# KiCad board EEZ DIB DCP405plus.kicad_pcb (continued)
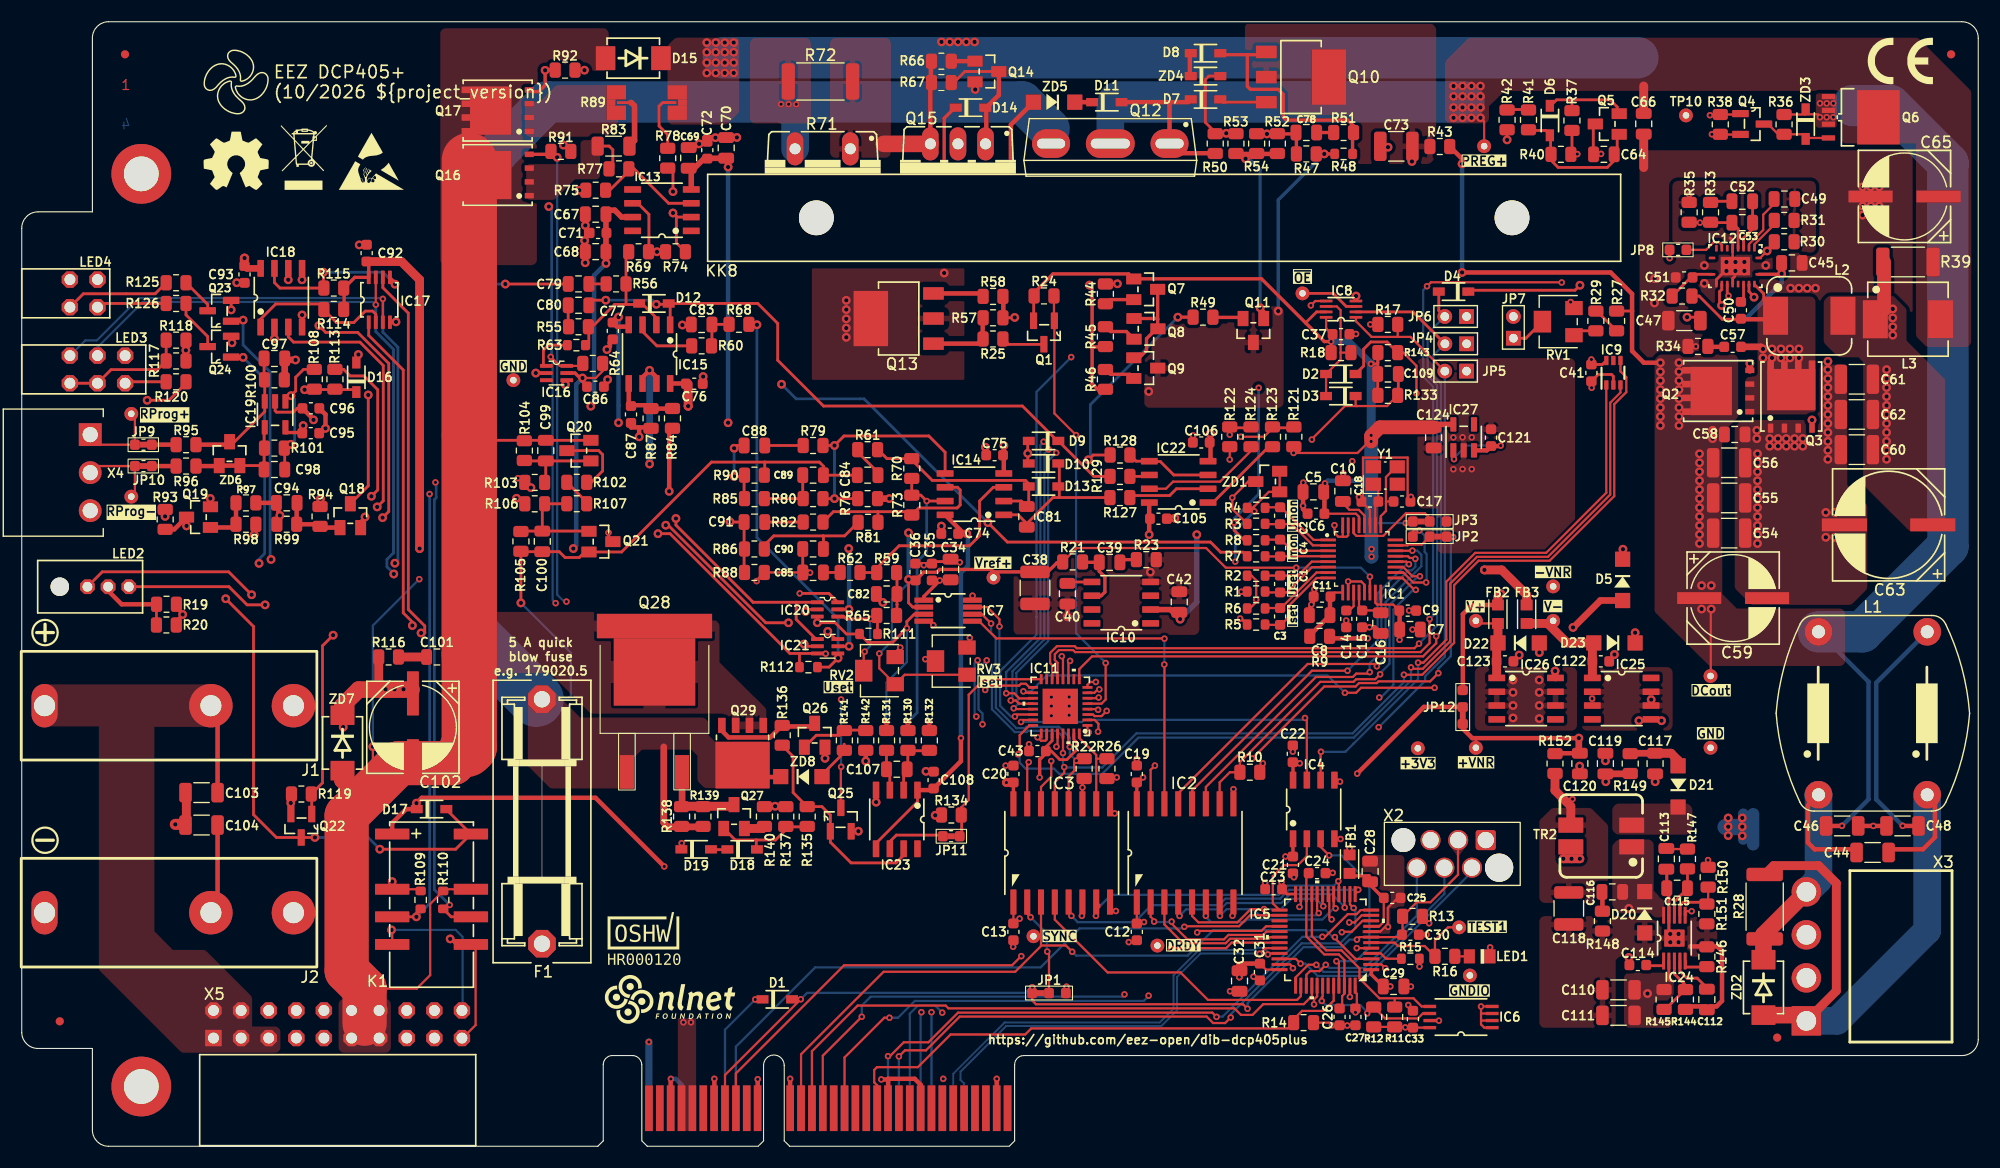
[diagram p0: board, top side]
## Footprints (pads in the part's own frame, mm; a bottom-side part is the same pattern mirrored in y, then rotated) (continued)
TO247-3_SUNKEN
  oval 3.5x2.64 hole 2.6x0.9: 1(-5.45,0) 3(5.45,0)
  oval 4.5x2.64 hole 3.6x0.9: 2(0,0)
TO-263_SOT-404
  rect 1.3x3.1 smd: 1(-2.54,-5.687) 3(2.54,-5.687)
  rect 10.6x2.25 smd: 2(0,7.738)
  rect 7.5x6.2 smd: 2(0,3.513)
TRIM_3214W-1-104E
  rect 1.6x1.3 smd: 1(-1.45,1.25) 3(-1.45,-1.25)
  rect 1.6x2 smd: 2(1.45,0)
TSSOP-8
  rect 1.168x0.305 smd: 1(-2.87,0.975) 2(-2.87,0.325) 3(-2.87,-0.325) 4(-2.87,-0.975) 5(2.87,-0.975) 6(2.87,-0.325) 7(2.87,0.325) 8(2.87,0.975)
WP934MD_2YD
  rrect 1.5x1.5 hole 1: BA(-1.27,1.27) BC(-1.27,-1.27) TA(1.27,1.27) TC(1.27,-1.27)
WR-WST_490107670612_DEBUG
  round 2.2 hole 2.2 unplated: (-7.58,0)
  round 2.6 hole 2.6 unplated: (1.23,-2.54)
  rrect 1.85x1.85 hole 1.5: 1(0,0)
  round 1.85 hole 1.5: 2(-1.27,-2.54) 3(-2.54,0) 4(-3.81,-2.54) 5(-5.08,0) 6(-6.35,-2.54)
XTAL_403C11A24M00000
  rect 1.2x1.4 smd: 1(-0.8,1.1) 2(-0.8,-1.1) 3(0.8,-1.1) 4(0.8,1.1)
ZH32
  rrect 2.54x2.54 hole 1.5: 1(-11.25,0) 2(11.25,0)

## Nets
+3V3: C5.1 C6.2 C7.1 C9.2 C19.2 C20.2 C22.2 C34.1 C35.2 C37.2 C41.1 C43.2 C86.1 C92.2 C109.1 C124.2 IC1.15 IC1.16 IC1.29 IC2.16 IC3.16 IC4.8 IC7.1 IC8.7 IC8.8 IC9.6 IC11.27 IC11.31 IC16.5 IC17.8 IC20.5 IC21.5 IC27.5 JP3.NC JP4.1 JP5.1 JP6.1 Q1.2 Q7.B R9.1 R10.1 R18.2 R24.1 R26.2 R64.1 R93.2 R114.1 R115.1 R121.2 R122.2 R133.1 R143.1 TP18.1
-12V: C119.1 IC25.2 IC25.3 IC25.6 IC25.7 R57.2 R58.2 R149.2 TP14.1
/DIB isolators, EEPROM, ADC, MCU/VDDA: C25.1 C28.2 FB1.1 IC5.9
/Power pre-regulator/AGND: C49.2 IC12.6 NT2.1 Q4.2 R30.1 R31.1 R35.2 R38.2
/Power pre-regulator/VCC: C47.2 D5.C IC12.14 JP8.1
GND: C5.2 C6.1 C7.2 C8.2 C9.1 C10.2 C11.1 C14.1 C15.1 C16.2 C17.1 C18.1 C19.1 C20.1 C22.1 C34.2 C35.1 C36.1 C37.1 C38.2 C40.2 C41.2 C42.2 C43.1 C67.1 C68.1 C69.1 C70.1 C71.2 C72.2 C73.2 C74.1 C75.1 C76.1 C77.1 C78.2 C82.2 C83.2 C86.2 C87.2 C92.1 C93.2 C95.2 C96.2 C105.1 C106.1 C108.1 C110.2 C111.2 C112.2 C113.1 C115.1 C117.2 C118.2 C119.2 C120.2 C121.1 C122.1 C123.2 C124.1 D16.A D19.C D20.A D22.A D23.C IC1.10 IC1.13 IC1.27 IC1.31 IC1.32 IC2.9 IC3.9 IC4.5 IC7.8 IC8.4 IC9.2 IC10.4 IC11.25 IC11.26 IC11.33 IC16.2 IC17.4 IC18.4 IC20.2 IC21.2 IC23.4 IC24.9 IC24.TP IC25.5 IC26.2 IC26.3 IC26.6 IC26.7 IC27.2 JP3.NO NT1.2 Q18.E Q19.E Q22.2 Q23.2 Q24.2 Q25.2 Q26.E R2.2 R6.2 R17.1 R19.2 R20.2 R23.2 R47.1 R52.1 R54.1 R87.2 R91.1 R92.1 R94.1 R98.1 R117.1 R118.1 R119.1 R132.2 R134.1 R137.1 R140.1 R142.1 R144.1 R146.1 R148.2 R151.2 RV1.3 RV2.3 RV3.3 TP7.1 TP8.1 TR2.4
+VLED: D17.C JP12.COM K1.1 LED3.YA LED4.BA LED4.TA
+VNR: C120.1 D5.A IC26.8 JP12.NC R152.2 TP15.1
+VREF: C36.2 C38.1 IC1.14 IC7.2 R21.1 R84.1 RV2.1 RV3.1 TP6.1
/DAC, OE, Vref, IOEXP, Temp/~{OE_LED_GREEN}: IC11.12 LED2.GREEN
/DAC, OE, Vref, IOEXP, Temp/~{OE_LED_RED}: IC11.11 LED2.RED
/DAC, OE, Vref, IOEXP, Temp/~{SET_DP}: IC11.5 Q1.1 R24.2
/DIB isolators, EEPROM, ADC, MCU/AC_FREQ: IC5.40 X1.B14
/DIB isolators, EEPROM, ADC, MCU/ADC_IRQ: IC2.7 IC5.20 TP2.1
/DIB isolators, EEPROM, ADC, MCU/ADC_MISO: IC2.6 IC5.17
/DIB isolators, EEPROM, ADC, MCU/ADC_MOSI: IC2.5 IC5.19
/DIB isolators, EEPROM, ADC, MCU/ADC_SCLK: IC2.4 IC5.15
/DIB isolators, EEPROM, ADC, MCU/CLK_IN: IC5.5 X1.B17
/DIB isolators, EEPROM, ADC, MCU/DIB_BOOT0: IC5.44 R14.2 X1.B20
/DIB isolators, EEPROM, ADC, MCU/DIB_CSA: IC5.11 X1.A25
/DIB isolators, EEPROM, ADC, MCU/DIB_IRQ: IC5.18 X1.A24
/DIB isolators, EEPROM, ADC, MCU/DIB_MISO: IC5.10 X1.A23
/DIB isolators, EEPROM, ADC, MCU/DIB_MOSI: IC5.14 X1.A22
/DIB isolators, EEPROM, ADC, MCU/DIB_SCLK: IC5.12 X1.A21
/DIB isolators, EEPROM, ADC, MCU/DIB_SYNC: IC3.3 IC5.3 TP1.1 X1.B13
/DIB isolators, EEPROM, ADC, MCU/DIB_TOUT: IC5.2 X1.B15
/DIB isolators, EEPROM, ADC, MCU/DIB_USB_D+: IC5.33 X1.A27
/DIB isolators, EEPROM, ADC, MCU/DIB_USB_D-: IC5.32 X1.A28
/DIB isolators, EEPROM, ADC, MCU/I_MON_AIN: C4.2 IC1.4 R7.1
/DIB isolators, EEPROM, ADC, MCU/I_MON_AIN-: C4.1 IC1.3 R8.1
/DIB isolators, EEPROM, ADC, MCU/I_SET_AIN: C3.2 IC1.8 R5.1
/DIB isolators, EEPROM, ADC, MCU/I_SET_AIN-: C3.1 IC1.7 R6.1
/DIB isolators, EEPROM, ADC, MCU/ISO_ADC_MISO: IC1.21 IC2.11
/DIB isolators, EEPROM, ADC, MCU/ISO_ADC_MOSI: IC1.20 IC2.12
/DIB isolators, EEPROM, ADC, MCU/ISO_ADC_SCLK: IC1.22 IC2.13
/DIB isolators, EEPROM, ADC, MCU/MISO1: IC3.6 IC5.28
/DIB isolators, EEPROM, ADC, MCU/MOSI1: IC3.5 IC5.13
/DIB isolators, EEPROM, ADC, MCU/RESET_OUT: IC5.41 JP1.NO
/DIB isolators, EEPROM, ADC, MCU/SCL: IC5.42 IC6.6 R12.2
/DIB isolators, EEPROM, ADC, MCU/SCLK1: IC3.4 IC5.38
/DIB isolators, EEPROM, ADC, MCU/SDA: IC5.21 IC6.5 R11.2
/DIB isolators, EEPROM, ADC, MCU/SWCLK: IC5.37 X2.4
/DIB isolators, EEPROM, ADC, MCU/SWDIO: IC5.34 X2.2
/DIB isolators, EEPROM, ADC, MCU/SWO: IC5.39 X2.6
/DIB isolators, EEPROM, ADC, MCU/TYPE_ID: IC5.4 R15.2
/DIB isolators, EEPROM, ADC, MCU/U_MON_AIN: C2.1 IC1.2 R3.1
/DIB isolators, EEPROM, ADC, MCU/U_MON_AIN-: C2.2 IC1.1 R4.1
/DIB isolators, EEPROM, ADC, MCU/U_SET_AIN: C1.2 IC1.6 R1.1
/DIB isolators, EEPROM, ADC, MCU/U_SET_AIN-: C1.1 IC1.5 R2.1
/DIB isolators, EEPROM, ADC, MCU/~{ADC_CS}: IC2.2 IC5.29
/DIB isolators, EEPROM, ADC, MCU/~{DAC_CS}: IC2.3 IC5.30
/DIB isolators, EEPROM, ADC, MCU/~{DIB_ALERT}: IC5.26 X1.A9
/DIB isolators, EEPROM, ADC, MCU/~{DIB_FAULT}: IC5.31 X1.B9
/DIB isolators, EEPROM, ADC, MCU/~{DIB_RESET}: C30.2 D1.A IC5.7 JP1.NC R13.1 X1.B8 X2.3
/DIB isolators, EEPROM, ADC, MCU/~{DIB_SHUTDOWN}: D1.C X1.A8
/DIB isolators, EEPROM, ADC, MCU/~{IOEXP_CS}: IC4.2 IC5.25
/DIB isolators, EEPROM, ADC, MCU/~{IOEXP_IRQ}: IC3.7 IC5.16
/DIB isolators, EEPROM, ADC, MCU/~{ISO_ADC_CS}: IC2.15 JP2.NC
/DIB isolators, EEPROM, ADC, MCU/~{ISO_ADC_IRQ}: IC1.19 IC2.10 R10.2
/DIB isolators, EEPROM, ADC, MCU/~{TEMP_CS}: IC4.3 IC5.45
/Power pre-regulator/DC+: C44.2 L1.1 R28.1 X3.4 ZD2.C
/Power pre-regulator/DC-: C44.1 L1.3 R28.2 X3.1 ZD2.A
/Power pre-regulator/EN_ULVO: D4.C IC12.1 R30.2
/Power pre-regulator/FB: C53.1 C64.1 IC12.5 Q5.C R33.2 R35.1
/Power pre-regulator/HO: IC12.18 Q2.4
/Power pre-regulator/LO: IC12.13 Q3.4
/Power pre-regulator/SW: C50.2 C57.1 IC12.19 L2.1 Q2.1 Q2.2 Q2.3 Q3.5 Q3.6 Q3.7 Q3.8 R32.2
/Rsense protection, power output, Rprog/AUX_OUT: IC20.1 IC21.1 R113.1
/Rsense protection, power output, Rprog/OUTC+: C103.1 J1.1 X5.1 X5.2 X5.3 X5.4 X5.5
/Rsense protection, power output, Rprog/OUTC-: C104.2 J2.1 X5.15 X5.16 X5.17 X5.18
/Rsense protection, power output, Rprog/SENSE_IN+: J1.2 K1.5 X5.20
/Rsense protection, power output, Rprog/SENSE_IN-: J2.2 K1.8 X5.19
AUX_ISET_SW: IC11.1 IC17.6
AUX_USET_SW: IC11.2 IC17.1
CC_ACTIVE: IC11.19 R122.1 R124.2
CC_LED_OUT: IC11.3 Q23.1
CURR_HI: IC11.7 IC16.6 Q17.4 R64.2 R92.2
CURR_LO: IC11.8 Q16.4 R91.2
CV_ACTIVE: IC11.20 R121.1 R123.2
CV_LED_OUT: IC11.4 Q24.1
DC_OUT: C45.2 C46.2 C54.1 C55.1 C56.1 C58.2 C59.+ C110.1 C111.1 IC12.20 IC24.2 L1.2 Q2.5 Q2.6 Q2.7 Q2.8 Q6.1 Q6.2 Q6.3 R27.2 R36.2 R43.2 R145.2 TP9.1 ZD3.C
DIB_3V3: C12.2 C13.2 C21.2 C23.1 C27.1 C29.2 C31.1 C32.1 C33.2 FB1.2 IC2.1 IC3.1 IC4.1 IC5.1 IC5.24 IC5.36 IC5.48 IC6.8 R11.1 R12.1 R13.2 X1.B4 X1.B5
DIB_GND: C12.1 C13.1 C21.1 C23.2 C24.1 C25.2 C26.1 C27.2 C28.1 C29.1 C30.1 C31.2 C32.2 C33.1 IC2.8 IC3.8 IC4.4 IC5.8 IC5.23 IC5.35 IC5.47 IC6.1 IC6.2 IC6.3 IC6.4 IC6.7 LED1.C R14.1 R15.1 TP4.1 X1.A4 X1.A7 X1.A11 X1.A12 X1.B3 X1.B7 X1.B11 X1.B12 X1.B21 X1.B24 X1.B31 X2.5
DUTY_100: IC11.13 Q4.1 R38.1 TP10.1
GCOM: C97.1 IC15.6 IC15.7 R75.1 R76.1 R100.1
I_MON: IC13.6 IC16.4 R7.2 R69.1 R74.2
I_SERVO: C80.2 D9.C D12.A IC15.1 R129.1
I_SET: IC7.4 IC18.5 IC21.3 R5.2 R112.2
I_SET_OUT: IC21.4 R68.1 R112.1 RV3.2
ISO_MISO1: IC3.11 IC9.3 IC11.24 R22.2
ISO_MOSI1: IC3.12 IC7.7 IC11.30 R22.1
ISO_SCLK1: IC3.13 IC7.6 IC9.4 IC11.29
ISO_SYNC: IC3.14 IC8.1 JP5.2 R17.2
LOOP_CTRL: D9.A D10.A R49.1 R128.2
OE_ACTIVE: IC8.5 IC11.22
OE_TRIG: IC8.2 IC11.9 JP4.2
OVP_EN: IC11.16 JP11.1 R134.2
PE: C46.1 C48.2 C103.2 C104.1 X1.A1 X4.3
POST_OUT+: C79.1 C84.1 C89.2 C100.1 C102.+ F1.1 JP7.2 K1.3 Q12.3 Q14.E Q21.E Q28.1 Q29.MB R42.2 R50.2 R53.2 R71.2 R72.1 R90.1 R105.2 R109.1 R116.1 R138.2 R139.2 ZD4.A ZD7.C ZD8.C
POST_OUT-: C85.1 C90.2 C99.2 C101.1 C102.- D15.A K1.10 Q16.5 Q16.6 Q16.7 Q16.8 Q17.5 Q17.6 Q17.7 Q17.8 Q20.E Q28.2 Q29.1 Q29.2 Q29.3 R4.2 R88.2 R104.1 R110.2 X5.11 X5.12 X5.13 X5.14 ZD1.1 ZD1.2 ZD7.A
PREG_OE: D4.A IC11.14 JP6.2
PREG_OUT+: C65.+ C66.2 L3.2 Q6.MB Q12.2 R39.1 TP11.1
PREG_OUT-: C45.1 C47.1 C48.1 C51.2 C54.2 C55.2 C56.2 C58.1 C59.- C60.2 C61.2 C62.2 C63.- C65.- C66.1 D15.C IC12.12 IC12.15 IC12.21 L1.4 NT1.1 NT2.2 Q3.1 Q3.2 Q3.3 Q15.2 R8.2 R34.1 R89.1
PWRGOOD: D2.C IC11.18 IC24.6 R143.2
RSENSE: IC11.6 Q22.1 R119.2
RSENSE_ERR: IC11.17 Q19.C R93.1
SENSE+: C88.1 K1.4 R85.2 R90.2 R106.1 R109.2
SENSE-: C91.1 K1.9 R86.2 R88.1 R103.2 R110.1
SENSE_PROT: Q9.C Q11.C Q18.C R47.2 R48.2
U_MON: IC14.7 R3.2 R70.1 R73.1 R130.1 ZD1.3
U_SERVO: C81.2 D10.C D13.A IC14.1 R127.1
U_SET: IC7.3 IC18.3 IC20.3 R1.2 R111.2 R131.1
U_SET_OUT: IC20.4 R65.1 R111.1 RV2.2
V+: C42.1 C67.2 C68.2 C71.1 C74.2 C76.2 C93.1 C95.1 C105.2 C108.2 C121.2 FB2.2 IC10.2 IC13.7 IC14.8 IC15.8 IC18.8 IC19.5 IC22.8 IC23.1 IC23.5 IC27.1 IC27.3 JP12.NO
V-: C69.2 C70.2 C72.1 C75.2 C77.2 C96.1 C106.2 FB3.2 IC13.4 IC14.4 IC15.4 IC19.2 IC22.4
~{DP_DRIVE}: Q13.B R25.1 R57.1
~{ISO_DAC_CS}: IC2.14 IC7.5
~{ISO_IOEXP_CS}: IC4.7 IC11.23
~{ISO_IOEXP_IRQ}: IC3.10 IC11.32 R26.1
~{ISO_RESET}: IC1.17 IC3.15 IC11.28
~{ISO_TEMP_CS}: IC4.6 IC9.1
~{OVP_FAULT}: C109.2 D3.C IC11.21 Q25.3 R133.2
~{POST_OE}: IC8.3 R44.1 TP5.1
Net-(C24-Pad2): C24.2 C26.2 IC5.22 IC5.46
Net-(C39-Pad2): C39.2 R23.1
Net-(C52-Pad1): C52.1 R33.1
Net-(C57-Pad2): C57.2 R34.2
Net-(C60-Pad1): C60.1 C61.1 C62.1 C63.+ L2.2 L3.1 R37.1 R39.2 R40.1
Net-(C64-Pad2): C64.2 D6.A Q5.B R40.2 R41.1
Net-(C73-Pad1): C73.1 Q10.C R43.1 R45.2 R46.2
Net-(C78-Pad1): C78.1 R51.1
Net-(C79-Pad2): C79.2 R56.1
Net-(C80-Pad1): C80.1 R55.1
Net-(C82-Pad1): C82.1 R59.1 R65.2
Net-(C83-Pad1): C83.1 R60.1 R68.2
Net-(C84-Pad2): C84.2 R61.1
Net-(C85-Pad2): C85.2 R62.1
Net-(C88-Pad2): C88.2 R79.1
Net-(C89-Pad1): C89.1 R80.2 R85.1
Net-(C90-Pad1): C90.1 R81.2 R86.1
Net-(C91-Pad2): C91.2 R82.1
Net-(C94-Pad1): C94.1 Q18.B R94.2 R99.2
Net-(C94-Pad2): C94.2 Q21.C R97.2 R99.1
Net-(C99-Pad1): C99.1 Q20.B R103.1 R104.2
Net-(C100-Pad2): C100.2 Q21.B R105.1 R106.2 R107.2
Net-(C101-Pad2): C101.2 R116.2
Net-(C113-Pad2): C113.2 R147.1
Net-(C116-Pad2): C116.2 R148.1
Net-(C117-Pad1): C117.1 D21.A R149.1
Net-(C118-Pad1): C118.1 R150.1 R152.1 TR2.3
Net-(D6-PadC): D6.C Q5.E R37.2
Net-(D7-PadA): D7.A Q10.E
Net-(D8-PadA): D8.A Q10.B R48.1 R51.2
Net-(D8-PadC): D8.C ZD4.C
Net-(D11-PadC): D11.C ZD5.C
Net-(D14-PadC): D14.C Q13.C ZD5.A
Net-(D18-PadA): D18.A Q27.B R135.1 R137.2
Net-(D18-PadC): D18.C D19.A
Net-(D21-PadC): D21.C TR2.2
Net-(F1-Pad2): F1.2 X5.6 X5.7 X5.8 X5.9 X5.10
Net-(IC1-AVDD): C8.1 C11.2 IC1.9 R9.2
Net-(IC1-CAP): C10.1 IC1.28
Net-(IC1-M0): IC1.30 JP3.COM
Net-(IC1-REFP): C15.2 C16.1 IC1.12
Net-(IC1-VNCP): C14.2 IC1.11
Net-(IC1-XTAL1/CLKIN): C17.2 IC1.25 Y1.3
Net-(IC1-XTAL2): C18.2 IC1.26 Y1.1
Net-(IC1-~{CS}): IC1.23 JP2.COM
Net-(IC1-~{DONE}): IC1.18 JP2.NO
Net-(IC3-INA): IC3.2 JP1.COM
Net-(IC5-PH1-OSC_OUT): IC5.6 R16.2 TP3.1
Net-(IC8A-~{CLR}): D2.A D3.A IC8.6 R18.1
Net-(IC10-TRIM/NR): C40.1 IC10.5
Net-(IC10-VOUT): C39.1 IC10.6 R21.2
Net-(IC12-BST): C50.1 IC12.17
Net-(IC12-COMP): C52.2 C53.2 IC12.4
Net-(IC12-ILIM): C51.1 IC12.11 R32.1
Net-(IC12-RT): IC12.2 R31.2
Net-(IC12-SS_TRK): C49.1 IC12.3
Net-(IC12-SYNCIN): IC12.8 JP8.2
Net-(IC13A-+IN): IC13.3 R75.2 R77.2
Net-(IC13A--IN): IC13.2 R74.1 R78.2
Net-(IC14A-+IN): IC14.3 R59.2 R62.2
Net-(IC14A--IN): C81.1 D13.C IC14.2 R61.2 R70.2
Net-(IC14B-+IN): IC14.5 R76.2 R79.2 R80.1
Net-(IC14B--IN): IC14.6 R73.2 R81.1 R82.2
Net-(IC15A-+IN): IC15.3 R60.2
Net-(IC15A--IN): D12.C IC15.2 R55.2 R56.2 R63.2 R69.2
Net-(IC15B-+IN): C87.1 IC15.5 R84.2 R87.1
Net-(IC16-NO): IC16.1 R63.1
Net-(IC17A-I1): IC17.2 IC18.1 R114.2
Net-(IC17A-O): IC17.7 IC20.6 LED3.GA
Net-(IC17B-I0): IC17.5 IC18.7 R115.2
Net-(IC17B-O): IC17.3 IC21.6 LED3.RA
Net-(IC18B--IN): D16.C IC18.2 IC18.6 R108.1 R113.2
Net-(IC19A-+IN): C97.2 IC19.3 R95.1 R100.2 ZD6.3
Net-(IC19A--IN): C98.2 IC19.4 R96.1 R101.2 ZD6.1 ZD6.2
Net-(IC19A-OUT): C98.1 IC19.1 R101.1 R108.2
Net-(IC22B-+IN): IC22.3 IC22.5 R128.1
Net-(IC22B--IN): IC22.2 R127.2
Net-(IC22B-OUT): IC22.1 R123.1
Net-(IC22C--IN): IC22.6 R129.2
Net-(IC22C-OUT): IC22.7 R124.1
Net-(IC23-+IN): C107.1 IC23.2 R130.2 R132.1
Net-(IC23--IN): C107.2 IC23.3 R131.2
Net-(IC23-OUT): IC23.7 Q25.1 R135.2 R136.2
Net-(IC23-~{SHDN}): IC23.6 JP11.2
Net-(IC24-BOOT): C114.2 IC24.1
Net-(IC24-COMP): C115.2 IC24.8 R147.2
Net-(IC24-EN): IC24.3 R144.2 R145.1
Net-(IC24-PH): C114.1 C116.1 D20.C IC24.10 TR2.1
Net-(IC24-RT/CLK): IC24.5 R146.2
Net-(IC24-SS/TR): C112.1 IC24.4
Net-(IC24-VSENSE): IC24.7 R150.2 R151.1
Net-(IC25-Vout): C122.2 D23.A FB3.1 IC25.1 TP17.1
Net-(IC26-Vout): C123.1 D22.C FB2.1 IC26.1 TP16.1
Net-(JP7-Pad1): JP7.1 RV1.2
Net-(JP9-Pad2): JP9.2 R95.2
Net-(JP10-Pad2): JP10.2 R96.2
Net-(K1A-C2): D17.A K1.12 Q22.3 R120.1
Net-(LED1-PadA): LED1.A R16.1
Net-(LED2-C): LED2.CC R19.1 R20.1
Net-(LED3-PadGC): LED3.GC LED3.RC R117.2 R118.2
Net-(LED3-PadYC): LED3.YC R120.2
Net-(LED4A-C): LED4.TC R126.1
Net-(LED4B-C): LED4.BC R125.2
Net-(Q1-D): Q1.3 R25.2
Net-(Q4-D): Q4.3 Q6.4 R36.1 ZD3.A
Net-(Q7-PadC): Q7.C Q8.B Q8.C Q9.B
Net-(Q7-PadE): Q7.E R44.2
Net-(Q8-PadE): Q8.E R45.1
Net-(Q9-PadE): Q9.E R46.1
Net-(Q11-PadB): Q11.B R52.2 R53.1 R54.2
Net-(Q11-PadE): Q11.E R49.2
Net-(Q12-G): D7.C D11.A Q12.1 R50.1
Net-(Q13-PadE): Q13.E R58.1
Net-(Q14-PadB): Q14.B R66.2
Net-(Q15-G): D14.A Q14.C Q15.1 R67.2
Net-(Q15-S): Q15.3 R66.1 R67.1 R71.1 R72.2
Net-(Q16-S-Pad1): Q16.1 Q16.2 Q16.3 R77.1 R83.2
Net-(Q17-S-Pad1): Q17.1 Q17.2 Q17.3 R89.2
Net-(Q19-PadB): Q19.B R97.1 R98.2
Net-(Q20-PadC): Q20.C R102.1
Net-(Q23-D): Q23.3 R125.1
Net-(Q24-D): Q24.3 R126.2
Net-(Q26-PadB): Q26.B R141.1 R142.2
Net-(Q27-PadE): Q27.E R140.2
Net-(Q28-G): Q27.C Q28.3 R138.1 R139.1
Net-(Q29-G): Q26.C Q29.4 R136.1
Net-(R27-Pad1): R27.1 R29.2
Net-(R29-Pad1): R29.1 RV1.1
Net-(R41-Pad2): R41.2 R42.1
Net-(R78-Pad1): R78.1 R89.1S
Net-(R83-Pad1): R83.1 R89.2S
Net-(R102-Pad2): R102.2 R107.1
Net-(R141-Pad2): R141.2 ZD8.A
Net-(TP12-P$1): JP9.1 TP12.1 X4.1
Net-(TP13-P$1): JP10.1 TP13.1 X4.2

Pads without a net: IC1 24; IC5 27 43; IC9 5; IC10 1 3 7 8; IC11 10 15; IC12 7 9 10 16; IC13 1 5 8; IC16 3; IC23 8; IC25 4 8; IC26 4 5; IC27 4; X1 A2 A3 A5 A6 A10 A13 A14 A15 A16 A17 A18 A19 A20 A26 A29 A30 A31 A32 B1 B2 B6 B10 B16 B18 B19 B22 B23 B25 B26 B27 B28 B29 B30 B32; X2 1; X3 2 3; Y1 2 4

## Via types
v1: diameter 0.806, hole 0.4, Top to Bottom, 379 vias
v2: diameter 0.6, hole 0.3, Top to Bottom, 305 vias

## Routing (per net, layer and track width the routed paths; a pad name or vN(x,y) marks a point on that pad's centre or on a via; arc(x,y) is an arc through that point)
+3V3: length 412.8
  Top w0.203: v2(127.33,57.36) 127.35,57.38 127.98,57.38 ; C6.2 122.75,58.22 123.03,57.94 IC1.29 ; 125.04,49.86 124.71,49.86 124.53,50.03 IC1.15 ; 125.04,49.86 126.18,49.86 126.77,49.27 ; 125.04,49.86 125.03,49.86 IC1.16 ; 111.14,64.26 111.14,63.21 v2(111.13,63.2) ; v2(126.76,46.61) 126.77,46.63 C7.1 ; R121.2 117.03,63.83 v2(117.01,63.81) 122.89,63.81 123.85,64.77 123.85,64.87 ; C86.1 51.59,70.33 v1(51.59,70.71) 52.8,70.71 53.44,71.35 R64.1 ; 94.22,36.75 C43.2 94.22,36.16 ; IC8.8 120,75.27 120.52,74.75
  Top w0.254: v2(114.18,35.24) 113.9,34.96 R10.1 ; R18.2 120.46,74.61 C37.2 ; 83.68,52.08 C35.2 ; IC8.7 119.13,76.8 118.11,75.78 ; R26.2 100.64,33.84 v2(100.74,33.95) ; C43.2 94.71,36.37 95.5,35.58 96.15,35.58 97.06,36.5 97.06,37.18 96.79,37.44 IC11.31 ; 94.22,36.75 94.79,37.32 IC11.27 ; R133.1 124.75,69.13 C109.1 124.76,71.1 R143.1 124.76,72.09 124.68,72.01 v2(124.13,72.01) ; v2(84.46,52.08) 85.5,52.08 85.52,52.09 ; IC21.5 v1(76.11,46.02) ; 93.1,78.26 93.1,75.99 93.1,75.99 ; IC9.6 145.41,71.95 C41.1
  Top w0.305: v2(84.46,52.08) C35.2 ; 31.92,81.38 IC17.8 30.64,79.97 29.66,78.99 29.66,77.02 ; IC2.16 C19.2 102.7,33.49 v2(103.16,33.95) ; 102.32,79.84 114.06,79.84 119.83,74.06 v2(120.46,74.06) ; 94.22,36.16 93.65,35.58 v2(93.65,33.95) ; 93.1,78.26 93.1,78.51 94.88,80.29 101.84,80.29 Q7.B ; IC7.1 82.99,50.6 84.47,52.08 ; IC3.16 C20.2 ; IC20.5 v1(76.1,49.41) ; IC16.5 50.9,71.17 51.31,70.76 ; IC4.8 116.96,35.33 C22.2 117.57,35.34 117.58,35.35 ; 83.56,52.08 83.68,52.08
  Top w0.406: 120.35,46.96 R9.1 ; 130.16,66.44 C124.2 ; R93.2 13.19,58.6 v1(13.19,57.97) ; C7.1 126.77,49.27 ; v2(119.9,61.01) 119.84,60.95 C6.2 ; v2(123.83,46.75) 120.35,46.75
  Top w0.508: IC27.5 130.16,66.44
  Top w0.813: v1(36.6,55.01) 36.6,79.75 34.93,81.43 C92.2 ; 129.93,66.21 C124.2 ; v2(90.59,33.48) 90.6,33.49 C20.2
  Top w1.27: C124.2 124.95,66.17 124.15,65.37 v2(124.15,64.87)
  In2.Cu w0.203: TP18.1 127.3,37.77 126.06,37.77 ; v2(111.13,63.2) 116.4,63.2 v2(117.01,63.81)
  In2.Cu w0.254: JP6.1 132.93,76.36 JP4.1 132.93,72.41 132.92,72.4 JP5.1
  In2.Cu w0.406: v1(36.6,55.01) 20.39,55.01 17.43,57.97 v1(13.19,57.97) ; v2(84.46,52.08) 84.46,55 84.47,55.01 ; v2(124.13,72.01) 124.16,72.01 124.56,72.41 v2(144.41,72.41) ; 76.11,49.4 v1(76.1,49.41) ; v2(126.76,46.61) 126.62,46.75 v2(123.83,46.75)
  In2.Cu w0.813: v2(90.59,33.48) 91.06,33.95 v2(93.65,33.95) v2(100.74,33.95) v2(103.16,33.95) 112.89,33.95 v2(114.18,35.24) 123.53,35.24 126.06,37.77
  In2.Cu w1.016: 126.06,37.77 126.06,52.41 124.11,54.36
  In2.Cu w1.27: v1(36.6,55.01) 124.13,55.01 v2(124.18,54.96) 124.18,54.43 124.11,54.36
  Bottom w0.203: v2(127.33,57.36) 124.17,57.36
  Bottom w0.406: 124.17,60.94 123.86,61.25 120.14,61.25 v2(119.9,61.01) ; v1(50.75,55.01) 51.01,55.28 51.01,70.13 v1(51.59,70.71) ; v1(76.08,55.01) 76.11,54.98 v1(76.11,46.02)
  Bottom w0.61: 124.21,71.97 122.12,74.06 v2(120.46,74.06)
  Bottom w0.813: v2(124.15,65.43) 124.15,71.99 v2(124.13,72.01)
  Bottom w1.27: v2(124.15,65.43) 124.15,60.96 124.17,60.94 124.17,54.28 v2(124.18,54.27)
  vias: v2(117.58,35.24)
-12V: length 99.1
  Top w0.254: v1(91.35,76.28) 91.32,76.25 90.31,76.25
  Top w0.406: 90.31,78.22 90.31,76.25
  Top w0.61: v1(145.74,33.55) 145.7,33.59 C119.1 147.94,34.27 R149.2
  In2.Cu w0.254: TP14.1 144.07,51.53 144.09,51.55
  In2.Cu w0.508: v1(91.35,76.28) 96.49,71.14 114.35,71.14 115.48,70.01 137.68,70.01 144.09,63.6 144.09,41.58 v2(144.47,41.2)
  In2.Cu w0.61: v1(149.91,41.1) 149.91,37.73 v1(145.74,33.55)
/DIB isolators, EEPROM, ADC, MCU/VDDA: length 8.1
  Top w0.203: 125.31,22.81 125.31,20.66 124.89,20.24 IC5.9
  Top w0.305: 125.31,22.81 123.96,24.15 123.96,24.89 122.1,24.89 122.01,24.98
/Power pre-regulator/AGND: length 10.6
  Top w0.203: 158.12,93.11 156.29,93.11 R38.2 ; v2(153.41,87.6) 153.4,87.59 R35.2
  Top w0.254: NT2.1 157.4,82.65 IC12.6 157.41,83.35 157.15,83.61
  Top w0.406: 153.4,86.91 153.4,87.1
  In2.Cu w0.203: v2(153.41,87.6) 153.41,91.06 v2(155.5,93.14)
/Power pre-regulator/VCC: length 38.8
  Top w0.203: JP8.1 151.6,81.74 v2(151.61,81.74)
  Top w0.254: 154.36,75.99 154.04,76.31 v1(153.21,76.31) ; IC12.14 156.91,78.39 v2(157.02,78.28)
  Top w0.406: 154.36,75.99 154.04,75.93
  In2.Cu w0.203: v2(151.61,81.74) 151.61,76.31
  In2.Cu w0.254: v2(157.02,78.28) 156.07,78.28 154.1,76.31 152.7,76.31
  In2.Cu w0.406: v1(147.31,54.95) 147.77,55.41 147.77,72.47 151.61,76.31 v1(153.21,76.31)
GND: length 113.2
  Top w0.203: C11.1 118.85,51.2 v2(118.92,51.26) ; 121.54,56.1 121.12,56.1 120.77,56.45 v2(120.77,57.16) ; 121.54,56.1 121.89,56.1 122.03,56.24 IC1.31 ; 121.54,56.1 121.53,56.11 IC1.32 ; IC1.10 122.03,51.98 v2(122.03,51.98) 123.23,51.98 123.53,51.68 IC1.13 ; v2(127.8,59.77) 127.8,59.38 C17.1 127.5,59.6 127.5,63.39 123.39,63.39 123.39,59.48 C18.1 124.03,58.56 IC1.27 ; R2.2 113.14,52.52 113.57,52.09 v2(113.57,50.32) 113.57,50.08 112.99,49.5 R6.2 ; RV3.3 87.22,46.15 v2(87.22,46.8) ; IC11.26 94.29,37.44 94.18,37.33 93.77,37.33 v2(93.46,37.64) ; 122.74,77.8 122.75,77.82 v1(122.75,78.25)
  Top w0.254: C72.2 62.51,92.45 v1(62.32,92.26) 61.98,91.92 C69.1 ; v1(49.83,92.15) 49.93,92.15 R91.1 ; v1(72.11,49.23) 72.29,49.41 IC20.2 ; IC17.4 34.4,75.84 v1(34.43,75.88) ; 51.85,84.75 v1(51.85,84.75) 51.85,83.42 v1(51.79,83.36) ; RV2.3 80.36,45.44 v2(80.82,45.9) ; v1(148.78,39.17) 148.79,39.16 149.9,39.16 ; 83.5,38.3 83.62,38.3 ; C106.1 107.74,65.4 v2(107.77,65.43) ; v2(121.28,33.56) 121.14,33.7 IC4.5 ; v1(84.04,30.46) 84.07,30.49 84.57,30.49 ; C41.2 145.03,71.03 146.24,71.03 146.25,71.04 146.43,70.86 IC9.2 ; 85.77,53.74 v2(86.3,53.74) 86.23,53.81 83.93,53.81 C35.1 83.14,53.63 v2(82.99,53.48) 82.84,53.63 C36.1 ; v1(88.65,64.35) 88.65,64.34 88.65,63.61 ; v1(47.29,71.17) IC16.2 ; R132.2 v2(83.5,39.05) ; R20.2 14.22,48.36 v1(14.8,48.94) 14.23,49.52 R19.2 ; v1(51.77,99.04) 51.76,99.05 50.94,99.05 ; 151.54,19.67 v1(151.66,19.54) ; R118.1 R117.1 ; C11.1 118.85,50.07 v2(118.65,49.86) 118.46,49.67 C8.2 ; 19.27,77.87 v1(19.27,76.98) ; v1(71.98,46.22) 72.18,46.02 IC21.2 ; v1(78.6,31.67) 78.6,32.78 IC23.4 ; v1(60.78,75.59) 60.83,75.64 C83.2 ; 30.99,72.03 30.98,72.02 ; v1(31.58,57.92) 31.18,57.52 Q18.E ; 142.96,27.21 TR2.4 ; 152.94,12.68 153.06,12.56
  Top w0.279: 151.3,25.46 151.34,25.42 151.34,23.71 151.54,23.52 IC24.9 151.54,19.67
  Top w0.305: IC18.4 25.79,76.51 v1(25.79,76.51) ; C78.2 117.27,93.27 R47.1 ; 115.86,93.18 117.1,93.18
  Top w0.406: 27.36,65.63 27.5,65.63 v1(27.95,66.08) 27.95,67.35 C96.2 ; 153.51,18.4 153.51,18.39 155.03,18.39 155.03,18.4 155.98,18.4 156.43,17.95 156.43,13.38 155.92,12.87 155.34,12.87 155.03,12.56 154.9,12.87 153.06,12.87 153.06,12.56 ; C6.1 117.88,58.64 117.88,59.94 ; 77.65,36.4 v1(77.65,35.45) ; v1(62.69,70.84) 62.65,70.8 C76.1 ; C40.2 v1(96.2,48.73) ; C15.1 123.99,47.77 v2(124,47.77) 124.46,47.77 C16.2 ; R52.1 114.58,93.2 v1(114.56,93.18) 114.54,93.2 R54.1 ; v1(73.9,35.71) 73.9,35.71 Q26.E ; v1(84.61,57.08) 84.53,57 84.53,56.38 ; 105.42,57.79 106.06,57.79 v1(106.08,57.81) ; v1(53.84,73.33) 54.11,73.6 54.11,73.91 54.08,73.94 ; 56.74,66.16 56.8,66.1 v1(56.8,65.3) ; 56.74,66.16 56.07,66.16 56.05,66.18 56.05,66.5 ; 56.74,66.16 57.77,66.16 57.89,66.04 ; 21.79,56.76 21.54,57.02 ; v2(127.64,49.31) 127.65,49.3 C9.1 ; v1(17.35,59.62) 17.36,59.61 Q19.E ; 70.3,31.3 v1(69.31,31.3) ; C7.2 v2(127.95,47.56)
  Top w0.508: v1(51.85,84.75) 51.85,84.75 51.85,85.67 ; v1(51.79,83.36) 51.85,83.29 C68.1 ; 64.83,92.83 63.82,92.83 v1(63.82,92.83) 62.86,92.83 62.86,92.83
  Top w0.813: v1(141.82,26.46) v1(143.35,26.46)
  vias: v1(15.1,73.26) v1(19.34,73.95) v1(19.78,79.48) v1(21.39,56.29) v1(24.75,31.6) v1(27.48,59.6) v1(31.05,82.96) v1(30.97,72.87) v1(51.84,81.32) v1(53.9,70.56) v1(65.79,92.85) v1(76.97,29) v1(79.23,50.06) v1(83.19,34.51) v1(103.83,52.85) v1(125.7,91.95) v1(137.2,42.92) v1(137.2,41.77) v1(137.2,40.57) v1(137.2,39.42) v1(137.77,45.21) v1(139.62,45.44) v1(139.61,42.92) v1(139.61,41.77) v1(139.61,40.57) v1(139.61,39.36) v1(142.58,26.46) v1(143.33,34.99) v1(145.7,35.47) v1(146.53,45.26) v1(148.43,47.27) v1(150.28,33.55) v1(150.86,39.17) v1(151.66,18.78) v1(152.43,19.54) v1(152.43,18.78) v1(156.99,30.21) v1(156.99,29.41) v1(156.99,28.6) v2(60.71,27.9) v2(87.47,50.67) v2(90.52,35.04) v2(92.67,37) v2(94.73,41.34) v2(94.73,40.51) v2(94.73,39.62) v2(96.36,41.35) v2(96.36,40.51) v2(96.36,39.67) v2(100.55,30.64) v2(102.57,35.66) v2(111.48,32.87) v2(116.94,36.32) v2(117.9,61.08) v2(117.88,58.95) v2(121.57,61.93) v2(121.85,48.39) v2(122.41,63.05) v2(122.75,74.76) v2(123.02,59.75) v2(124.07,75.64) v2(131.71,65.24) v2(131.71,62.31) v2(132.56,65.25) v2(132.56,62.32) v2(133.4,65.25) v2(133.4,62.32) v2(142.5,77.7) v2(144.43,69.81)
+VLED: length 174.9
  Top w0.2: 36.34,31 D17.C
  Top w0.406: v2(122.86,34.3) 129,40.44 132.58,40.44 ; v1(36.31,31.58) 36.8,32.07 52.79,32.07 v2(59.11,25.75) ; K1.1 34.08,29.75 35.36,31.03 D17.C
  In2.Cu w0.2: 4.43,79.77 6.97,79.77 9.51,77.23 LED3.YA
  In2.Cu w0.406: v2(122.86,34.3) 114.87,34.3 112.44,31.88 87.5,31.88 81.38,25.75 v2(59.11,25.75) ; v1(36.31,31.58) 36.31,34.42 22.38,48.35 19.11,48.35 8.24,59.22 8.24,71.5 LED3.YA
+VNR: length 34.1
  Top w0.254: TP15.1 133.78,37.54 133.8,37.56
  Top w0.406: R152.2 141.1,36.17 C120.1 ; 132.58,38.89 132.58,38.43 133.45,37.56 v1(143.25,37.56)
  Top w0.61: v1(143.25,37.56) 143.25,36.27 C120.1 ; D5.A 145.24,50.23 142.76,47.75 v1(142.72,47.75) ; IC26.8 141.07,43.14 v1(141.07,43.74)
  In2.Cu w0.61: v1(141.07,43.74) 141.07,46.1 v1(142.72,47.75)
  In2.Cu w0.813: v1(141.07,43.74) 141.07,39.75 v1(143.25,37.56)
+VREF: length 102.9
  Top w0.203: R21.1 97.05,55.06 108.96,55.06 110.77,53.25 v2(117.25,53.25) ; IC1.14 v2(124.03,52.42) ; RV3.1 86.96,43.4 81.23,43.4 RV2.1 78.9,43.99 v2(78.9,45.35)
  Top w0.254: TP6.1 89.4,52.87 89.18,53.09 ; 81.59,52.17 v1(81.59,52.17) ; v1(81.59,52.17) 81.68,52.08 ; v1(81.59,52.17) 81.59,50.01 81.97,49.63 IC7.2
  Top w0.305: 95.77,53.71 95.24,53.71 94.4,52.86 89.41,52.86 89.18,53.09 84.43,53.09 84.18,52.83 82.97,52.83 C36.2
  Top w0.406: v1(59.56,60.28) 59.58,65.98 59.87,66.04
  In2.Cu w0.406: v1(59.56,60.28) 63.63,56.22 81.34,56.22 v1(81.58,56.46)
  Bottom w0.203: v2(124.03,52.42) 123.2,53.25 v2(117.25,53.25) ; v2(78.9,45.35) 80.06,46.51 80.06,50.31 81.59,51.84 v1(81.59,52.17)
  Bottom w0.254: v1(81.58,56.46) 81.61,56.44 ; 81.61,52.19 v1(81.59,52.17)
  Bottom w0.406: 81.61,56.44 81.61,52.19
/DAC, OE, Vref, IOEXP, Temp/~{OE_LED_GREEN}: length 99.9
  Top w0.203: v2(95.68,45.1) 95.79,44.99 95.79,42.99 IC11.12